# Altium PCB uz_per_wolfspeed_25kw_FM3.PcbDoc (part 2 of 2) (continued)
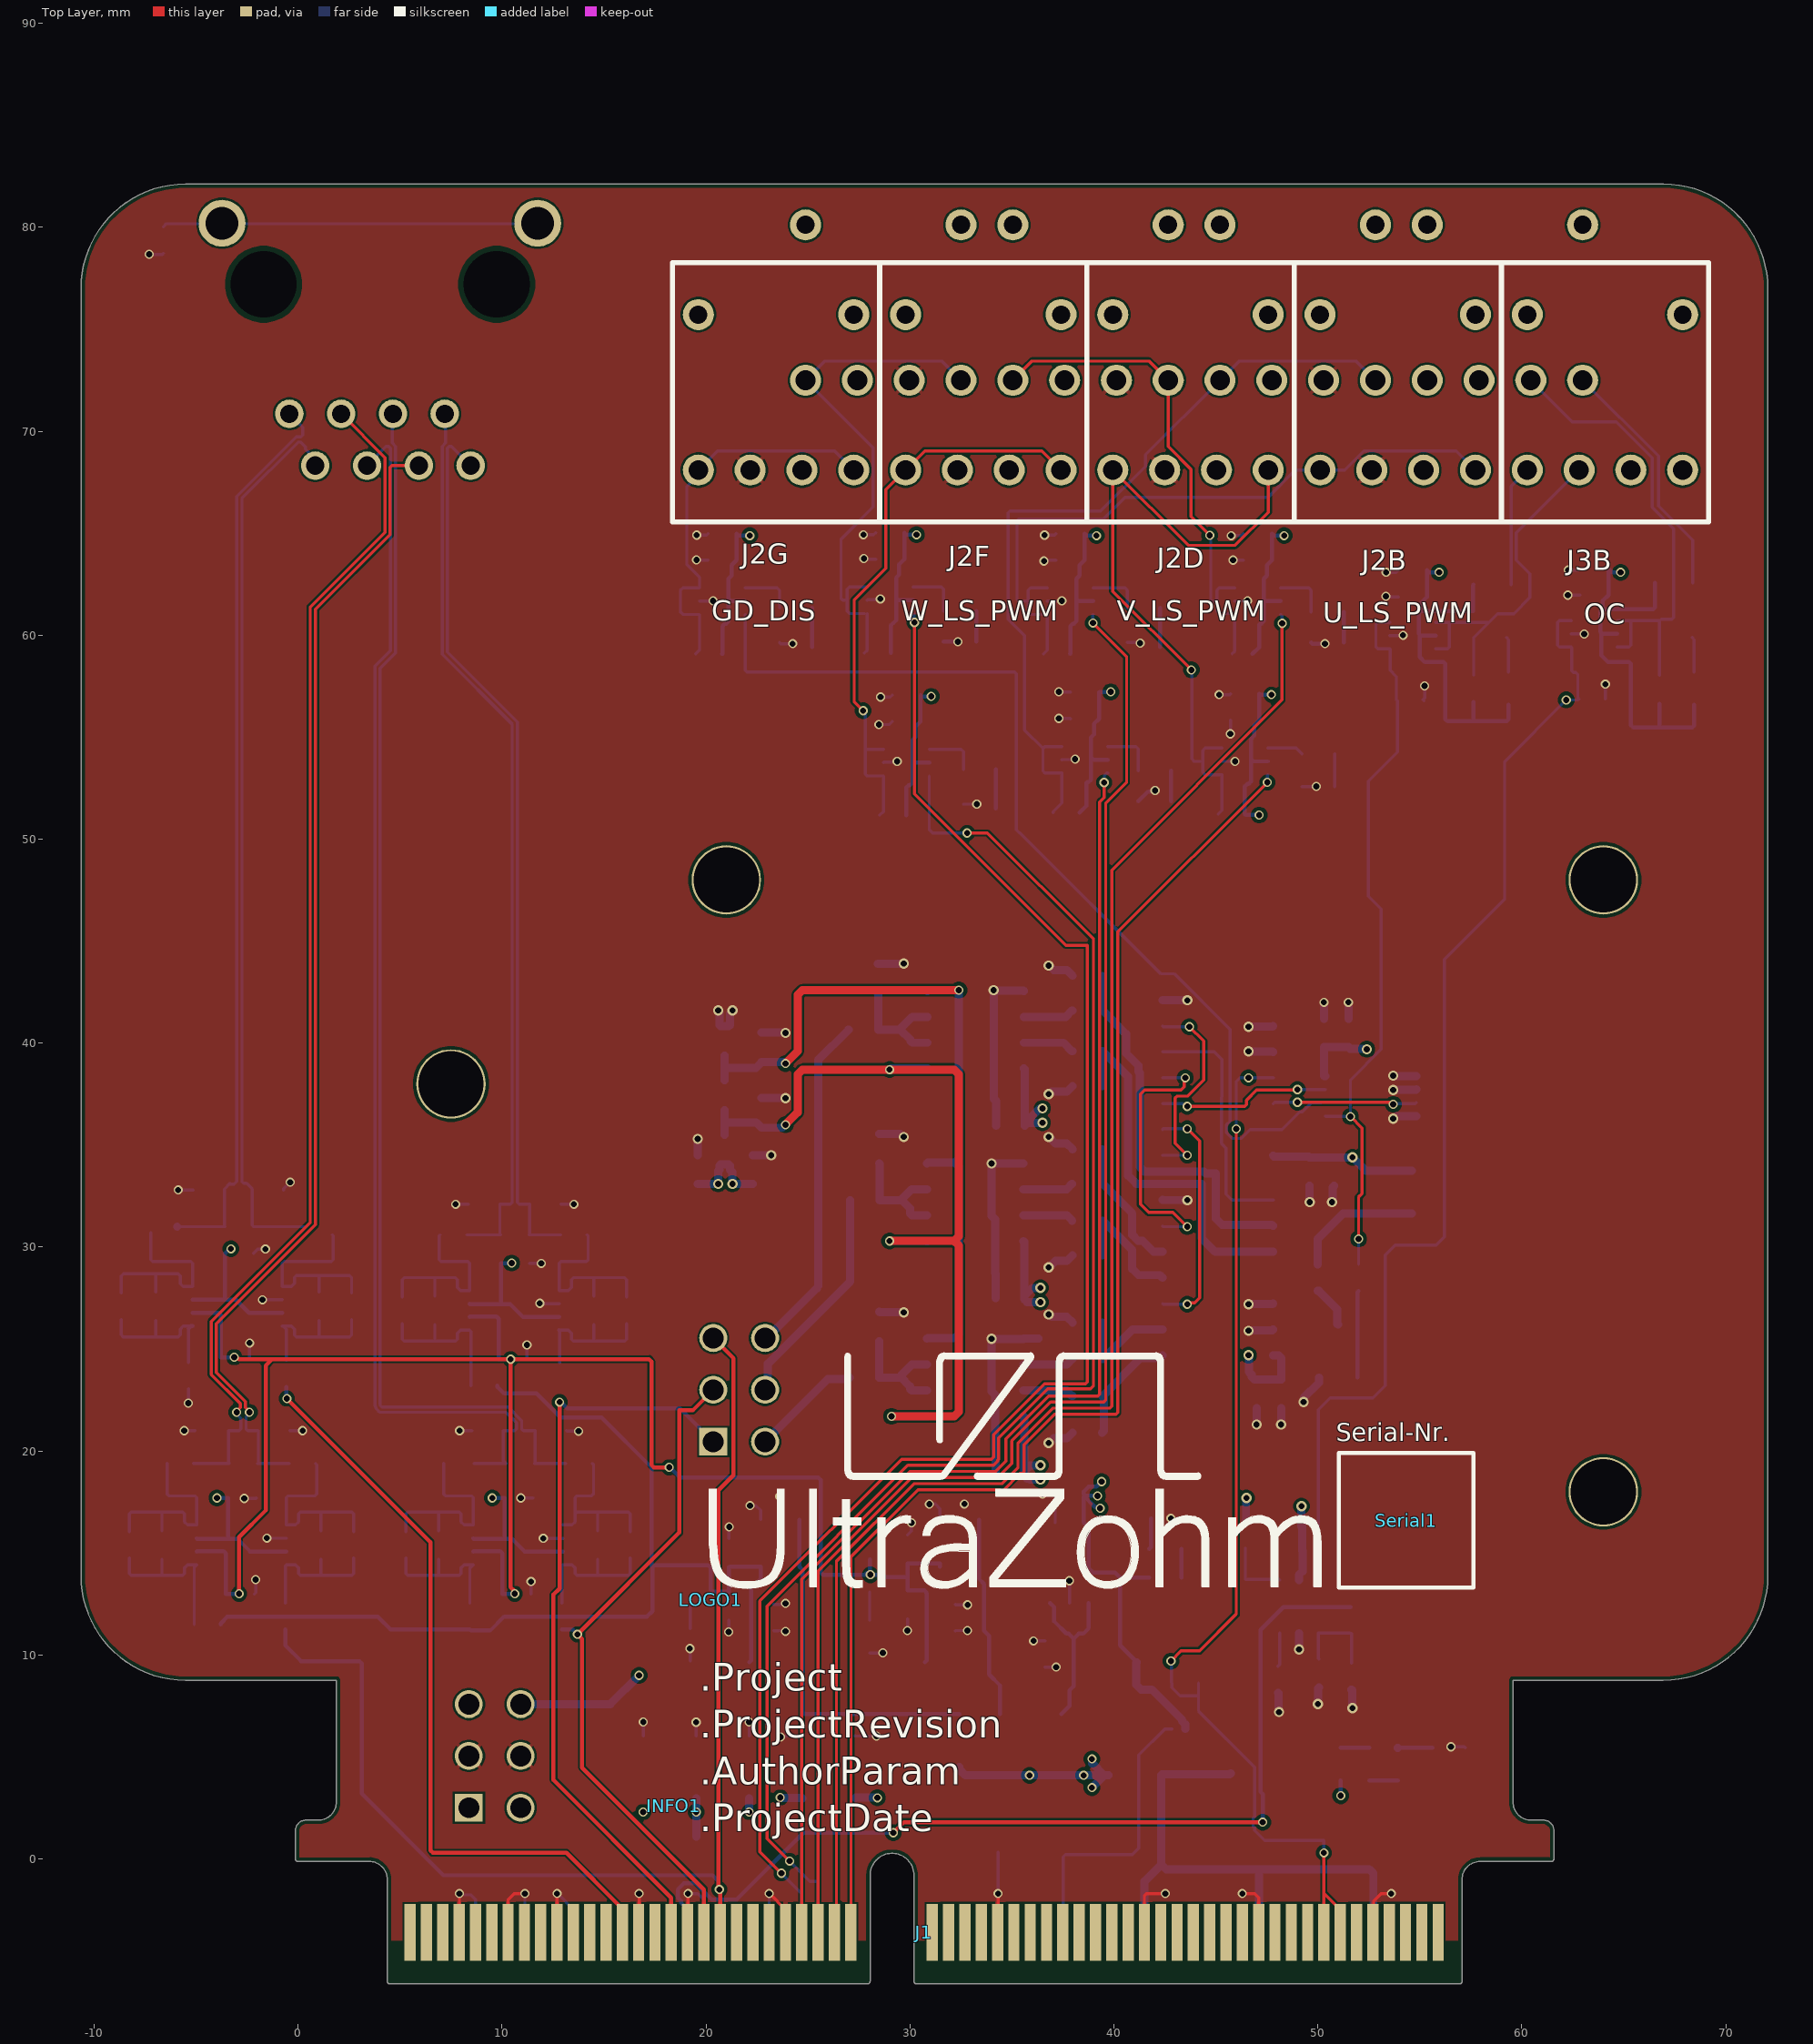
[diagram p0: Top Layer view]
## Nets (pads, with @x,y where several pads share a name; then routed paths per layer and width w, separated by ;. In a path a pad name is that pad's centre, name@x,y a point inside that pad or via, vN(x,y) a via of type N, cw(c..) or ccw(c..) an arc to the next point about the centre after c; other vN are vias at no path point) (continued)
NetR22_1: R22.1 U5.6 | length 2.5
  Bottom Layer w0.4: U5.6@35.564,24.235 37.685,24.235 37.95,24.5 R22.1@37.973,24.5
NetR23_1: R23.1 U6.7 | length 2.6
  Bottom Layer w0.4: U6.7@35.594,40.021 37.529,40.021 37.95,39.6 R23.1@37.973,39.6
NetR25_1: R25.1 U6.6 | length 2.5
  Bottom Layer w0.4: U6.6@35.594,41.291 37.641,41.291 37.95,41.6 R25.1@37.973,41.6
NetR26_1: R26.1 R30.2 | length 1.4
  Bottom Layer w0.2: R26.1@51.125,5.45 R30.2@52.525,5.45
NetR27_1: R27.1 R31.2 | length 1.4
  Bottom Layer w0.2: R27.1@43.325,13.8 R31.2@43.325,15.2
NetR30_1: R30.1 R32.2 | length 1.4
  Bottom Layer w0.2: R30.1@52.525,3.85 R32.2@53.925,3.85
NetR39_1: R39.1 T1.1 | length 4.3
  Bottom Layer w0.2: T1.1@51.95,23.6 51.95,27.8 R39.1@52,27.85
NetR40_1: R40.1 T1.3 | length 2.1
  Bottom Layer w0.4: R40.1@50,27.85 50.05,27.85 50.962,26.938 50.962,26.238 T1.3@51,26.2
NetU12_1: U12.1 U12.6 | length 10.3
  Top Layer w0.15: v1(43.6,34.5) 43,35.1 43,37.312 43.088,37.4 43.6,37.4 44.4,38.2 44.4,40.1 v1(43.7,40.8)
  Bottom Layer w0.15: U12.1@42.388,34.49 42.398,34.5 v1(43.6,34.5) ; U12.6@42.388,40.84 42.428,40.8 v1(43.7,40.8)
NetU12_2: U12.2 U13.3 | length 11.7
  Top Layer w0.15: v1(43.6,27.2) 43.657,27.257 43.957,27.257 44.2,27.5 44.2,35.2 v1(43.6,35.8)
  Bottom Layer w0.15: U13.3@42.388,27.23 42.418,27.2 v1(43.6,27.2) ; U12.2@42.388,35.76 42.428,35.8 v1(43.6,35.8)
NetU12_4: U12.4 U13.6 | length 13.3
  Top Layer w0.15: v1(43.5,38.3) 43.45,38.25 43.45,37.85 43.3,37.7 41.5,37.7 41.3,37.5 41.3,32.1 41.7,31.7 42.9,31.7 v1(43.6,31)
  Bottom Layer w0.15: U13.6@42.388,31.04 42.428,31 v1(43.6,31) ; U12.4@42.388,38.3 v1(43.5,38.3)
NetU12_5: U12.5 U13.8 | length 12.2
  Bottom Layer w0.15: U12.5@42.388,39.57 44.93,39.57 45.3,39.2 45.3,37.363 45.273,37.336 45.273,35.081 45.5,34.855 45.5,32.6 45.8,32.3 47.802,32.3 U13.8@47.812,32.31
OC_ALL_OK: U12.3 U14.7 | length 8.5
  Top Layer w0.15: v1(43.6,36.9) 46.412,36.9 46.5,36.988 46.5,37.2 47,37.7 48.975,37.7 v1(49,37.725)
  Bottom Layer w0.15: U12.3@42.388,37.03 43.389,37.03 43.519,36.9 v1(43.6,36.9) ; v1(49,37.725) U14.7@50.375,37.725
OC_latched: R13B.1 R39.2 U3B.1 U3B.3 U14.5 | length 35.9
  Top Layer w0.15: v1(51.6,36.4) 52.175,35.825 52.175,32.626 52,32.451 v1(52,30.4)
  Bottom Layer w0.15: U14.5@50.375,36.425 50.387,36.413 51.588,36.413 v1(51.6,36.4) 51.6,38.2 53.1,39.7 53.1,46.578 52.475,47.203 52.475,52.846 53.9,54.271 R13B.1@53.9,56.783 53.85,56.833 53.85,57.983 53.55,58.283 53.55,59.308 U3B.1@53.525,59.333 52.938,59.333 52.85,59.421 52.85,60.545 52.938,60.633 U3B.3@53.525,60.633 ; R39.2@52,29.15 v1(52,30.4)
OpAinSig1: J1.33 R5A.1 X3.01 | length 36.9
  Top Layer w0.2: v1(12.825,22.4) 12.825,13.266 12.525,12.966 12.525,3.875 18.3,-1.9 J1.33@18.3,-3.6
  Bottom Layer w0.2: v1(12.825,22.4) 12.893,22.4 13.193,22.1 18.72,22.1 X3.01@20.36,20.46
OpAinSig2: J1.37 R5B.1 X3.03 | length 33.2
  Top Layer w0.2: J1.37@19.9,-3.6 19.9,-1.5 13.925,4.475 13.925,10.786 v1(13.7,11.012) 18.7,16.012 18.7,21.995 19.355,21.995 X3.03@20.36,23
  Bottom Layer w0.2: R5B.1@12.948,11.25 13.461,11.25 v1(13.7,11.012)
OpAinSig3: J1.39 R5C.1 X3.05 | length 60.8
  Top Layer w0.2: X3.05@20.36,25.54 21.347,24.553 21.347,18.815 20.614,18.083 v1@20.614,-1.498 ; v1(20.656,-1.498) 20.7,-1.542 J1.39@20.7,-3.6
  Bottom Layer w0.2: R5C.1@-0.614,11.25 -0.614,10.465 0.151,9.7 3.008,9.7 3.125,9.583 3.125,3.2 7.125,-0.8 20.325,-0.8 20.608,-1.084 20.608,-1.451 v1(20.656,-1.498)
OpAinSig4: J1.27 R36.1 | length 37.4
  Top Layer w0.2: v1(-0.546,22.573) 6.5,15.527 6.5,0.417 6.617,0.3 13.16,0.3 J1.27@15.918,-2.457 ; J1.27@15.9,-3.6 J1.27@15.9,-2.475
  Bottom Layer w0.2: R36.1@-0.575,23.15 -0.575,22.602 v1(-0.546,22.573)
ReceiverSig1: J1.49 U2A.6 | length 67
  Top Layer w0.15: J1.49@24.7,-3.6 24.7,13.7 30,19 34.2,19 34.7,19.5 34.7,20.6 36.8,22.7 39.212,22.7 39.3,22.788 39.3,51.814 39.525,52.039 v1(39.525,52.778)
  Bottom Layer w0.15: v1(39.525,52.778) 39.537,52.789 39.537,53.124 39.652,53.239 U2A.6@39.698,53.239
ReceiverSig2: J1.51 U2B.6 | length 75.6
  Top Layer w0.15: J1.51@25.5,-3.6 25.5,14.1 30.1,18.7 34.3,18.7 34.6,19 35,19.4 35,20.5 36.9,22.4 39.512,22.4 39.6,22.488 39.6,51.758 40.625,52.783 40.625,58.95 v1(38.974,60.601)
  Bottom Layer w0.15: v1(38.974,60.601) 38.974,61.004 U2B.6@38.989,61.018
ReceiverSig3: J1.53 U2C.6 | length 77.9
  Top Layer w0.15: J1.53@26.3,-3.6 26.4,-3.5 26.4,14.6 30.2,18.4 34.5,18.4 35.3,19.2 35.3,20.4 37,22.1 39.8,22.1 39.9,22.2 39.9,48.477 48.25,56.827 v1(48.25,60.583)
  Bottom Layer w0.15: U2C.6@48.175,61.018 48.25,60.943 v1(48.25,60.583)
ReceiverSig4: J1.55 U2D.6 | length 69.6
  Top Layer w0.15: J1.55@27.113,-3.6 27.113,14.813 30.4,18.1 34.4,18.1 34.438,18.062 34.562,18.062 35.4,18.9 35.512,18.9 35.6,18.988 35.6,20.3 37.1,21.8 40.112,21.8 40.2,21.888 40.2,45.458 v1(47.525,52.783)
  Bottom Layer w0.15: v1(47.525,52.783) 47.525,53.139 U2D.6@47.55,53.164
ReceiverSig5: J1.50 U2E.6 | length 80.1
  Top Layer w0.15: v1(23.7,-0.7) 22.648,0.352 22.648,12.648 29.6,19.6 34,19.6 34.1,19.7 34.1,20.8 36.6,23.3 38.612,23.3 38.7,23.388 38.7,44.794 37.643,44.794 30.223,52.214 v1(30.223,60.629)
  Bottom Layer w0.15: v1(23.7,-0.7) 24.695,-1.695 24.695,-3.595 J1.50@24.7,-3.6
  Bottom Layer w0.2: U2E.6@30.148,61.064 30.186,61.026 30.186,60.666 v1(30.223,60.629)
ReceiverSig6: J1.52 U2F.6 | length 73.2
  Top Layer w0.15: v1(24.1,-0.1) 23,1 23,12.4 29.9,19.3 34.1,19.3 34.3,19.5 34.3,19.544 34.352,19.596 34.352,20.652 36.748,23.048 38.848,23.048 39,23.2 39,45.1 33.798,50.302 v1(32.806,50.302)
  Bottom Layer w0.15: v1(24.1,-0.1) 25.1,-1.1 25.5,-1.1 J1.52@25.5,-3.6 ; U2F.6@30.95,53.1 30.95,50.466 31.114,50.302 v1(32.806,50.302)
RxTxA: J2A.1 J2A.4 R8A.2 U2A.1 U2A.3 | length 39.2
  Bottom Layer w0.15: R8A.2@37.023,51.304 37.023,51.354 37.448,51.779 U2A.1@37.448,53.239 36.613,53.239 36.525,53.327 36.525,54.451 ; U2A.3@37.448,54.539 36.613,54.539 36.525,54.451 ; J2A.1@52.825,72.5 51.886,73.439 46.144,73.439 J2A.4@45.205,72.5 41.55,68.845 41.55,68.284 39.35,66.083 34.913,66.083 34.825,65.995 34.825,60.783 35.625,59.983 35.625,55.351 36.525,54.451
RxTxB: J2B.1 J2B.4 R8B.2 U2B.1 U2B.3 | length 33.8
  Bottom Layer w0.15: R8B.2@36.554,59.083 36.739,59.268 U2B.1@36.739,61.018 35.921,61.018 35.804,61.136 35.804,61.668 ; U2B.3@36.739,62.318 35.921,62.318 35.804,62.201 35.804,61.668 ; J2B.4@57.729,68.1 56.79,69.039 52.26,69.039 51.322,68.1 J2B.1@50.109,68.1 48.896,68.1 47.563,66.766 40.557,66.766 39.486,65.695 35.338,65.695 35.25,65.607 35.25,61.756 35.338,61.668 35.804,61.668
RxTxC: J2C.1 J2C.4 R8C.2 U2C.1 U2C.3 | length 25.2
  Top Layer w0.15: J2C.4@35.045,72.5 35.984,73.439 41.726,73.439 J2C.1@42.665,72.5 42.665,69.251 43.785,68.131 43.785,65.815 v1(44.7,64.9)
  Bottom Layer w0.15: v1(44.7,64.9) 44.75,64.85 44.75,61.756 44.838,61.668 45.05,61.668 ; R8C.2@45.8,59.083 45.925,59.208 U2C.1@45.925,61.018 45.879,61.065 45.138,61.065 45.05,61.152 45.05,61.668 ; U2C.3@45.925,62.318 45.167,62.318 45.05,62.201 45.05,61.668
RxTxD: J2D.1 J2D.4 R8D.2 U2D.1 U2D.3 | length 33.3
  Top Layer w0.15: v1(43.8,58.3) 39.949,62.151 J2D.1@39.949,68.1 43.641,64.408 45.947,64.408 47.569,66.03 J2D.4@47.569,68.1
  Bottom Layer w0.15: v1(43.8,58.3) 43.825,58.275 43.825,53.931 43.942,53.814 44.365,53.814 ; R8D.2@45.115,51.229 45.3,51.414 U2D.1@45.3,53.164 44.482,53.164 44.365,53.281 44.365,53.814 ; U2D.3@45.3,54.464 44.482,54.464 44.365,54.347 44.365,53.814
RxTxE: J2E.1 J2E.4 R8E.2 U2E.1 U2E.3 | length 26.4
  Bottom Layer w0.15: R8E.2@27.773,59.129 27.898,59.254 U2E.1@27.898,61.064 ; U2E.1@27.773,61.064 27.04,61.064 26.923,61.181 26.923,61.714 ; U2E.3@27.898,62.364 27.04,62.364 26.923,62.247 26.923,61.714 ; J2E.1@32.505,72.5 31.566,73.439 25.824,73.439 J2E.4@24.885,72.5 28.188,69.197 28.188,66.282 26.623,64.717 26.623,61.802 26.711,61.714 26.923,61.714
RxTxF: J2F.1 J2F.4 R8F.2 U2F.1 U2F.3 | length 28.4
  Top Layer w0.15: v1(27.708,56.3) 27.268,56.74 27.268,61.727 28.825,63.283 28.825,67.136 J2F.1@29.789,68.1 30.728,69.039 36.47,69.039 J2F.4@37.409,68.1
  Bottom Layer w0.15: v1(27.708,56.3) 27.708,56.219 27.808,56.119 27.808,54.313 ; R8F.2@28.515,51.165 28.7,51.35 U2F.1@28.7,53.1 27.896,53.1 27.808,53.188 27.808,54.313 ; U2F.3@28.7,54.4 27.896,54.4 27.808,54.313
RxTxG: J2G.1 J2G.4 R8G.2 U2G.1 U2G.3 | length 19.7
  Bottom Layer w0.15: R8G.2@19.5,59.083 19.685,59.268 U2G.1@19.685,61.018 18.867,61.018 18.75,61.136 18.75,62.201 18.867,62.318 U2G.3@19.685,62.318 19.685,62.848 19.061,63.471 19.061,67.272 19.629,67.84 J2G.1@19.629,68.1 20.568,69.039 26.31,69.039 J2G.4@27.249,68.1
TempSenseAnalog: J1.36 R41.2 | length 47.3
  Top Layer w0.2: v1(29.185,1.283) 29.702,1.8 v1(47.3,1.8)
  Bottom Layer w0.2: J1.36@19.1,-3.6 19.1,-2.475 18.777,-2.152 18.777,-2.059 18.624,-1.907 18.624,-1.493 18.917,-1.2 19.491,-1.2 20.29,-1.998 21.494,-1.998 24.776,1.283 v1(29.185,1.283) ; v1(47.3,1.8) 47.3,3.184 47.2,3.284 47.2,11.235 48.315,12.35 R41.2@51.6,12.35
TransmitterSig1: IC1.6 R13A.1 U3A.1 U3A.3 | length 56.5
  Bottom Layer w0.15: IC1.6@50.025,13.675 50.025,22.025 50.6,22.6 52.7,22.6 53.3,23.2 53.3,29.6 53.8,30.1 55.8,30.1 56.2,30.5 56.2,44.1 59.161,47.061 59.161,53.808 v1(62.18,56.827) 62.761,56.827 R13A.1@62.8,56.866 62.75,56.916 62.75,58.066 62.65,58.166 62.538,58.166 62.45,58.254 62.45,59.391 U3A.1@62.425,59.416 61.838,59.416 61.75,59.504 61.75,60.628 61.838,60.716 U3A.3@62.425,60.716
TxA_N: D2A.1 J3A.2 R11A.2 U3A.4 U3A.6 | length 23.4
  Bottom Layer w0.15: J3A.2@60.445,72.5 62.476,70.469 64.631,70.469 66.4,68.7 66.4,66.277 67.45,65.227 67.45,60.871 67.362,60.783 66.838,60.783 ; U3A.6@64.675,59.416 65.262,59.416 65.35,59.504 65.35,60.628 65.262,60.716 ; U3A.4@64.675,60.716 65.262,60.716 ; R11A.2@66.75,58.033 D2A.1@66.75,59.883 66.75,60.695 66.838,60.783 ; 65.262,60.716 66.771,60.716 66.838,60.783
TxB_N: D2B.1 J3B.2 R11B.2 U3B.4 U3B.6 | length 17.8
  Bottom Layer w0.15: U3B.6@55.775,59.333 56.362,59.333 56.45,59.421 56.45,60.545 56.362,60.633 ; U3B.4@55.775,60.633 56.362,60.633 ; R11B.2@57.64,58.033 57.64,59.873 D2B.1@57.65,59.883 58.4,60.633 ; J3B.2@62.809,68.1 59.727,65.018 59.727,63.681 60.4,63.008 60.4,61.844 59.612,61.056 58.823,61.056 58.4,60.633 ; 56.362,60.633 58.4,60.633
U_HI_OC: C22.1 R20.2 U13.1 | length 5.7
  Bottom Layer w0.4: C22.1@39.426,20.9 39.507,20.981 39.507,22.62 R20.2@39.427,22.7 39.45,22.7 41.315,24.565 42.263,24.565 U13.1@42.388,24.69
U_LO_OC: C24.1 R22.2 U13.2 | length 5.4
  Bottom Layer w0.4: R22.2@39.426,24.501 C24.1@39.426,26.3 ; R22.2@39.427,24.5 39.45,24.5 40.91,25.96 U13.2@42.388,25.96
V_HI_OC: C19.1 R14.2 U13.4 | length 6.4
  Bottom Layer w0.4: C19.1@39.426,29.6 39.428,29.603 39.428,31.297 R14.2@39.431,31.3 39.454,31.3 40.9,29.854 40.9,28.934 41.209,28.625 42.263,28.625 U13.4@42.388,28.5
V_LO_OC: C21.1 R19.2 U13.5 | length 6.7
  Bottom Layer w0.4: R19.2@39.427,33.1 C21.1@39.426,34.8 ; R19.2@39.427,33.1 39.45,33.1 40.9,31.65 40.9,30.6 41.183,30.317 41.403,30.317 41.951,29.77 U13.5@42.388,29.77
VCC3.3V: 3.1 C13A.1 C13B.1 C13C.1 C13D.1 C13E.1 C13F.1 C13G.1 C14A.1 C14B.1 C14C.1 C14D.1 C14E.1 C14F.1 C14G.1 C15A.1 C15B.1 C16A.1 C16B.1 C28.1 C29.1 C30.1 C31.1 C32.1 C33.1 C34.1 C35.1 C38.1 C39.1 C55.1 C56.1 C57.1 C58.1 C59.1 C60.1 C62.1 C63.1 D7.2 IC1.5 J2A.3 J2B.3 J2C.3 J2D.3 J2E.3 J2F.3 J2G.3 R8A.1 R8B.1 R8C.1 R8D.1 R8E.1 R8F.1 R8G.1 R10A.1 R10B.1 R11A.1 R11B.1 R12A.1 R12B.1 R16.1 R27.2 R44.2 U2A.5 U2B.5 U2C.5 U2D.5 U2E.5 U2F.5 U2G.5 U3A.5 U3B.5 U4.8 U5.8 U6.8 U7.5 U11.5 U12.14 U13.14 U14.8 X2.05 X2.06 | length 159.5
  VCC w0.4: X2.05@8.376,7.589 X2.06@10.916,7.589
  Bottom Layer w0.2: R8G.1@20.8,59.083 20.81,59.093 20.81,60.451 20.927,60.568 20.993,60.568 21.11,60.686 21.11,61.786 ; U2G.5@21.935,61.668 21.227,61.668 21.11,61.786 ; v1(22.15,64.883) 21.61,64.883 C14G.1@21.51,64.983 C13G.1@21.51,63.683 21.26,63.433 21.26,62.918 21.11,62.768 21.11,61.786 ; R8E.1@29.073,59.129 29.073,60.497 29.19,60.614 29.206,60.614 29.323,60.731 29.323,61.831 ; R8F.1@29.815,51.165 29.825,51.175 29.825,52.533 29.942,52.65 30.008,52.65 30.125,52.768 30.125,53.868 ; U2E.5@30.148,61.714 29.44,61.714 29.323,61.831 ; v1(30.323,64.929) 29.823,64.929 C14E.1@29.723,65.029 C13E.1@29.723,63.729 29.473,63.479 29.473,62.964 29.323,62.814 29.323,61.831 ; U2F.5@30.95,53.75 30.242,53.75 30.125,53.868 ; v1(31.046,57.002) 30.588,57.002 C14F.1@30.525,57.065 C13F.1@30.525,55.765 30.275,55.515 30.275,55 30.125,54.85 30.125,53.868 ; R8B.1@37.854,59.083 37.864,59.093 37.864,60.451 37.981,60.568 38.047,60.568 38.164,60.686 38.164,61.786 ; R8A.1@38.323,51.304 38.648,51.629 38.648,52.747 38.69,52.789 38.756,52.789 38.873,52.906 38.873,54.006 ; U2B.5@38.989,61.668 38.281,61.668 38.164,61.786 ; v1(39.15,64.883) 38.664,64.883 C14B.1@38.564,64.983 C13B.1@38.564,63.683 38.314,63.433 38.314,62.918 38.164,62.768 38.164,61.786 ; v1(39.2,17.8) 38.625,17.8 C39.1@38.525,17.9 38.525,18 38.775,18.25 39.15,18.25 v1(39.4,18.5) v1@39.407,18.507 ; v1(39.325,17.2) 39.277,17.248 39.077,17.248 38.552,17.773 38.525,17.773 C38.1@38.525,16.5 38.775,16.25 U7.5@38.775,14.85 38.775,14.254 38.981,14.048 40.054,14.048 40.302,13.8 ; U2A.5@39.698,53.889 38.99,53.889 38.873,54.006 ; v1(39.85,57.222) 39.291,57.222 C14A.1@39.273,57.204 C13A.1@39.273,55.904 39.023,55.654 39.023,55.139 38.873,54.989 38.873,54.006 ; 3.1@41.125,9.643 40.302,10.466 40.302,13.8 ; R27.2@41.725,13.8 40.302,13.8 ; R8C.1@46.8,59.083 47.125,59.408 47.125,60.526 47.167,60.568 47.233,60.568 47.35,60.686 47.35,61.786 ; v1(47.125,51.183) 46.461,51.183 R8D.1@46.415,51.229 46.425,51.239 46.425,52.597 46.542,52.714 46.608,52.714 46.725,52.831 46.725,53.931 ; U2D.5@47.55,53.814 46.842,53.814 46.725,53.931 ; v1(47.725,57.083) 47.171,57.083 C14D.1@47.125,57.129 C13D.1@47.125,55.829 46.875,55.579 46.875,55.064 46.725,54.914 46.725,53.931 ; U2C.5@48.175,61.668 47.467,61.668 47.35,61.786 ; v1(48.35,64.883) 47.85,64.883 C14C.1@47.75,64.983 C13C.1@47.75,63.683 47.5,63.433 47.5,62.918 47.35,62.768 47.35,61.786 ; 55.075,61.208 55.075,61.608 C15B.1@55.35,61.883 C16B.1@55.35,63.183 55.45,63.083 v1(55.95,63.083) ; U3B.5@55.775,59.983 55.038,59.983 54.994,60.027 ; R10B.1@57.625,62.483 57.607,62.465 57.607,61.183 55.05,61.183 54.95,61.083 54.95,60.071 54.994,60.027 ; R11B.1@57.64,56.733 57.64,55.787 57.636,55.783 ; R12B.1@59.35,56.583 59.35,55.871 59.262,55.783 57.636,55.783 ; 63.975,61.291 63.975,61.691 C15A.1@64.25,61.966 C16A.1@64.25,63.266 64.433,63.083 v1(64.85,63.083) ; U3A.5@64.675,60.066 63.938,60.066 63.894,60.11 ; R10A.1@66.525,62.566 66.525,61.354 66.437,61.266 63.95,61.266 63.85,61.166 63.85,60.154 63.894,60.11 ; R11A.1@66.75,56.633 66.75,55.509 66.725,55.483 ; R12A.1@68.45,56.583 68.45,55.571 68.362,55.483 66.725,55.483 ; 54.994,60.027 54.994,58.927 55.238,58.683 56.162,58.683 56.25,58.595 56.25,55.883 56.35,55.783 57.636,55.783 ; 63.894,60.11 63.894,59.01 64.221,58.683 65.262,58.683 65.35,58.595 65.35,55.583 65.45,55.483 66.725,55.483
  Bottom Layer w0.4: X2.06@10.91,7.594 X2.06@10.916,7.589 15.314,7.589 v1(16.725,9) ; C28.1@19.6,33.1 v2(20.6,33.1) 20.6,33.726 20.671,33.797 20.671,33.997 20.721,34.047 R16.1@20.921,34.047 21.121,34.047 21.171,33.997 21.171,33.797 21.3,33.669 v2(21.3,33.1) C32.1@22.3,33.1 ; U5.8@35.564,21.695 35.6,21.659 C29.1@35.6,20.1 C33.1@35.6,18.9 35.6,18.8 35.75,18.65 35.85,18.65 35.9,18.6 v2(36.4,18.6) ; U4.8@35.564,30.295 35.6,30.259 C30.1@35.6,28.7 C34.1@35.6,27.5 ; U6.8@35.594,38.751 35.63,38.715 C31.1@35.63,37.156 C35.1@35.63,35.956 35.755,36.081 36.481,36.081 v2(36.5,36.1) ; C33.1@35.6,19 35.9,19.3 v2(36.4,19.3) ; C34.1@35.6,27.45 35.75,27.3 v2(36.4,27.3) ; C34.1@35.6,27.6 36,28 v2(36.4,28) ; C35.1@35.63,36.056 36.355,36.781 36.481,36.781 v2(36.5,36.8) ; 3.1@41.125,9.643 41.1,9.618 41.1,8.534 41.334,8.3 41.859,8.3 43.352,6.808 43.352,6.748 43.5,6.6 U11.5@43.5,6.375 ; R44.2@46.45,16.55 46.481,16.581 46.481,17.681 v2(46.5,17.7) ; v2(46.6,24.7) 46.619,24.681 46.619,23.881 46.75,23.75 46.75,23.65 46.9,23.5 C58.1@47,23.5 C57.1@48.2,23.5 48.2,24.565 48.075,24.69 U13.14@47.812,24.69 ; U12.14@47.812,34.49 47.857,34.445 49.555,34.445 C59.1@49.6,34.4 C60.1@50.8,34.4 v2(51.7,34.4) 52.35,33.75 D7.2@54.6,33.75 ; IC1.5@49.075,13.675 49.075,13.925 49.25,14.1 C62.1@49.25,15.1 49.225,15.125 49.225,16.275 C63.1@49.2,16.3 v2(49.2,17.3) ; U14.8@50.375,38.375 50.323,38.375 50.3,38.398 50.3,39.8 51.5,39.8 51.581,39.719 52.381,39.719 v2(52.4,39.7)
VOCM2.5V: 5.1 C11A.1 C11B.1 C11C.1 C46.1 C47.1 C53.1 R29.2 U1A.2 U1B.2 U1C.2 U9.6 U10.2 | length 91.3
  Top Layer w0.2: v1(-3.125,24.6) -3.077,24.552 -2.935,24.552 -2.883,24.5 -1.275,24.5 ; v1(-2.887,13) -2.887,15.787 -1.586,17.089 -1.586,24.189 -1.275,24.5 ; v1(10.625,13) 10.577,13.048 10.577,13.165 10.425,13.318 v1(10.425,24.5) ; v1(18.2,19.2) 17.442,19.2 17.325,19.317 17.325,24.383 17.208,24.5 v1(10.425,24.5) ; -1.275,24.5 v1(10.425,24.5)
  Bottom Layer w0.2: U10.2@-5.17,26.775 -3.892,26.775 -3.775,26.658 C53.1@-3.775,24.6 v1(-3.125,24.6) ; U1C.2@-4.972,15.075 -4.947,15.1 -3.655,15.1 -3.537,14.983 C11C.1@-3.537,13 v1(-2.887,13) ; U1A.2@8.41,26.575 8.435,26.6 9.727,26.6 9.844,26.483 C11A.1@9.844,24.5 v1(10.425,24.5) ; U1B.2@8.591,15.075 8.616,15.1 9.908,15.1 10.025,14.983 C11B.1@10.025,13 v1(10.625,13) ; v1@18.225,19.2 18.725,18.7 25.508,18.7 25.625,18.583 25.625,14.053 25.742,13.936 27.797,13.936 27.879,14.019 v1@27.947,14.019 ; v1@28.03,14.019 R29.2@28.03,14.686 ; v1(28.061,13.936) 28.069,13.928 28.586,13.928 28.686,13.828 29.882,13.828 ; 5.1@30.739,9.643 30.825,9.729 30.825,13.044 30.708,13.161 C47.1@29.882,13.161 29.882,13.828 ; U9.6@31.48,14.336 31.48,14.495 C46.1@29.892,14.495 29.882,14.495 29.882,13.828
W_HI_OC: C25.1 R23.2 U13.10 | length 18.6
  Bottom Layer w0.4: C25.1@39.426,37.9 R23.2@39.427,39.6 39.451,39.599 40.7,38.35 40.7,33.5 41.1,33.1 44.3,33.1 44.3,30.434 44.964,29.77 U13.10@47.812,29.77
W_LO_OC: C27.1 R25.2 U13.9 | length 19.2
  Bottom Layer w0.4: R25.2@39.427,41.6 C27.1@39.426,43.3 ; R25.2@39.427,41.6 39.45,41.6 40.6,40.45 40.6,39.5 41.2,38.9 41.2,38.6 41.266,38.534 41.266,33.934 41.5,33.7 44.409,33.7 44.509,33.6 45,33.6 45,31.4 45.3,31.1 47.752,31.1 U13.9@47.812,31.04
pads on no net: J1.1 J1.2 J1.3 J1.4 J1.5 J1.6 J1.8 J1.9 J1.11 J1.12 J1.14 J1.15 J1.17 J1.18 J1.20 J1.21 J1.23 J1.24 J1.25 J1.26 J1.28 J1.30 J1.31 J1.32 J1.34 J1.40 J1.41 J1.42 J1.43 J1.44 J1.45 J1.54 J1.56 J1.57 J1.58 J1.59 J1.60 J1.61 J1.62 J1.63 J1.64 J1.66 J1.67 J1.68 J1.69 J1.70 J1.71 J1.72 J1.73 J1.75 J1.76 J1.77 J1.78 J1.79 J1.80 J1.81 J1.82 J1.85 J1.86 J1.87 J1.88 J1.89 J1.90 J1.91 J1.92 J1.93 J1.94 J1.95 J1.96 J1.99 J1.100 J1.101 J1.102 J1.103 J1.104 J1.106 J1.108 J1.109 J1.110 J1.113 J1.114 J1.115 J1.116 J1.117 J1.118 J1.119 J1.120 J2A.5 J2A.8 J2B.5 J2B.8 J2C.5 J2C.8 J2D.5 J2D.8 J2E.5 J2E.8 J2F.5 J2F.8 J2G.5 J2G.8 J3A.3 J3A.4 J3A.5 J3A.8 J3B.3 J3B.4 J3B.5 J3B.8 U7.4 U8.5 U9.5 U11.4 U12.8 U13.11 X1.MH3 X1.MH4

## Polygon pours and split planes (outlines as drawn)
5V on VCC "5V_L02_P040" (solid, pour order 40): -14.388,84.124 -14.388,-3.935 76.625,-3.935 76.625,84.483
VCC3.3V on VCC "VCC3.3V_L02_P039" (solid, pour order 39): 16.425,84.3 16.425,8.7 74.025,8.7 74.025,84.3
GND on GND "GND_L03_P041" (solid, pour order 41): -24.388,85.713 -24.388,-3.956 77.012,-3.956 77.012,85.713
GND on Bottom Layer "GND_L04_P042" (solid, pour order 42): -24.375,83.808 -24.375,-4.2 77.025,-4.2 77.025,84.208
GND on Top Layer "GND_L01_P038" (solid, pour order 38): -14.388,84.228 -14.388,-3.996 74.225,-3.996 74.225,84.578

## Silkscreen, mask and mechanical layers (free items; w line width, h text height)
Top Overlay:
  text "GD_DIS" at 20.275,60.716 h1
  text "W_LS_PWM" at 29.575,60.716 h1
  text "V_LS_PWM" at 40.15,60.717 h1
  text "U_LS_PWM" at 50.25,60.617 h1
  text "OC" at 63.05,60.55 h1
Bottom Overlay:
  lines w0.2: -10.5,21.633 17.215,21.633 ; -10.5,34.292 4,34.292 4,9.978 ; -8.685,9.978 4,9.978 ; 2.5,34.3 17.215,34.3 17.215,26.564 17.215,9.978 ; 13.045,70 23.605,70 ; 13.045,80.457 23.405,80.457 ; 15.07,69.345 15.07,68.245 16.045,68.245 ; 15.712,67.888 16.07,68.245 ; 17.2,9.978 4,9.978 ; 26.64,66.1 26.64,58 26.64,49.6 52.495,49.6 ; 34.195,66.1 42.295,66.1 52.495,66.1 ; 34.595,66.1 26.095,66.1 18.095,66.1 18.095,58 26.095,58 34.195,58 52.443,58 ; 35.046,49.643 35.046,58.011 35.046,66.1 ; 43.995,49.625 43.995,58.023 43.995,66.1 ; 52.495,49.7 52.495,54.226 52.495,66.1 ; 52.521,54.2 60.395,54.2 ; 72,66.1 60.395,66.1 ; 72.063,54.2 60.395,54.2 ; 16.07,68.245 15.743,68.572 16.07,68.245 ; 52.495,66.1 60.395,66.1 ; 60.395,54.2 60.395,66.1
  lines w0.254: 13.609,42.091 17.6,38.1 17.6,33.2 21.428,29.372 21.428,26.81 ; -5.3,42.1 13.6,42.1 13.6,64.4 -5.3,64.4 -5.3,42.1 ; 1.4,51 1.4,59 5.9,59 5.9,51 1.4,51
  lines w0.3: 7.842,52.2 7.542,52.5 ; 7.842,52.8 7.542,52.5 ; 7.842,57.2 7.542,57.5 ; 7.842,57.8 7.542,57.5 ; 7.942,54.7 7.642,55 ; 7.942,55.3 7.642,55 ; 8.3,52.5 7.542,52.5 ; 8.4,55 7.642,55 ; 8.4,57.5 7.542,57.5 ; 8.831,52.5 9.169,52.5 ; 8.831,57.5 9.169,57.5 ; 8.838,55 9.2,55 ; 9.662,55 10,55 ; 9.7,52.631 9.7,52.969 ; 9.7,53.431 9.7,53.769 ; 9.7,54.231 9.7,54.569 ; 9.7,55.431 9.7,55.769 ; 9.7,56.231 9.7,56.569 ; 9.7,57.031 9.7,57.369 ; 10.431,55 10.769,55 ; 54.3,29.088 54.6,29.388 ; 54.6,27.988 54.6,29.388 ; 54.9,29.088 54.6,29.388
  lines w0.5: 2.522,55.1 3.022,55.6 4.022,55.6 4.522,55.1 ; 2.6,52.5 3.1,53 4.1,53 4.6,52.5 ; 2.6,57.6 3.1,58.1 4.1,58.1 4.6,57.6 ; 0.4,52 2.4,52 2.4,53 0.4,53 0.4,52 ; 0.4,54.5 2.4,54.5 2.4,55.5 0.4,55.5 0.4,54.5 ; 0.4,57 2.4,57 2.4,58 0.4,58 0.4,57 ; 4.9,52 6.9,52 6.9,53 4.9,53 4.9,52 ; 4.9,54.5 6.9,54.5 6.9,55.5 4.9,55.5 4.9,54.5 ; 4.9,57 6.9,57 6.9,58 4.9,58 4.9,57
  text "NTC_ISO / U_HS_PWM /  / V_HS_PWM / W_HS_PWM" at 13.57,70.445 h1.2 r270
  text "Rx_G" at 25.745,63.217 h1
  text "Rx_E" at 34.345,63.217 h1
  text "Rx_B" at 43.345,63.217 h1
  text "Rx_C" at 52.045,63.217 h1
  text "Jumpers connect measured currents to OC comparators" at 11.431,59.477 h1.5
  text "I_W" at -0.25,57.083 h0.8
  text "Rx_D" at 51.52,55.617 h1
  text "Rx_F" at 34.62,55.517 h1
  text "Tx_B" at 60.145,54.617 h1
  text "Tx_A" at 71.75,54.617 h1
  text "I_V" at -0.25,54.583 h0.8
  text "I_U" at -0.25,52.083 h0.8
  text "OC TEST" at 11.6,51.8 h1 r270
  text "X3" at 8.6,50.1 h1
  text "For testing, remove jumpers and feed in test signals on the left hand side" at 11.031,43.243 h1.5
  text "VDCC" at -9.76,29.615 h1 r270
  text "CC_A" at 15.732,29.214 h1 r270
  text "CC_C" at 2.632,17.514 h1 r270
  text "CC_B" at 15.732,17.414 h1 r270
  text "OC EVENT" at 54,15.9 h1.5 r270
  text "Interface PCB compatible with  / Wolfspeed inverter CRD25DA12N-FMC REV2.0 ONLY !" at 63.8,9.1 h1.2 r270
  text "3V3" at 6.776,7.149 h1
  text "3V3" at 15.276,7.049 h1
  text "GND" at 15.176,4.749 h1
  text "GND" at 6.676,4.649 h1
  text "5V" at 6.676,1.949 h1
  text "5V" at 14.176,1.949 h1
Mechanical 1:
  lines w0.013: -10.512,13.884 ccw(c-5.512,13.884) -5.512,8.884 1.988,8.884 1.988,8.852 ; 59.438,8.852 59.438,8.884 66.938,8.884 ccw(c66.938,13.884) 71.938,13.884
  lines w0.25: 66.938,81.998 cw(c66.94,77) 71.938,76.998 ; 66.938,82 -5.512,82 ccw(c-5.512,77) -10.512,77 -10.512,13.884 ccw(c-5.512,13.884) -5.512,8.884 1.988,8.884 1.988,8.852 2,8.84 2,2.78 cw(c1,2.78) 1,1.78 0.4,1.78 ccw(c0.4,1.38) 0,1.38 0,0 3.5,0 cw(c3.5,-1) 4.5,-1 4.5,-6 27.925,-6 27.925,-0.8 cw(c29.125,-0.8) 30.325,-0.8 30.325,-6 56.95,-6 56.95,-1 cw(c57.95,-1) 57.95,0 61.45,0 61.45,1.38 ccw(c61.05,1.38) 61.05,1.78 60.45,1.78 cw(c60.45,2.78) 59.45,2.78 59.45,8.84 59.438,8.852 59.438,8.884 66.938,8.884 ccw(c66.938,13.884) 71.938,13.884 71.938,77
Drill Drawing:
  circle w0.254: c91.313,77.02 r0.847
  lines w0.254: 90.467,68.553 92.16,68.553 92.16,70.246 90.467,70.246 90.467,68.553 ; 90.467,72.363 92.16,72.363 92.16,74.056 90.467,74.056 90.467,72.363 ; 90.467,81.676 92.16,81.676 91.313,79.983 90.467,81.676 ; 90.467,84.216 90.89,84.216 91.313,83.793 91.737,84.216 92.16,84.216 91.737,84.64 92.16,85.063 91.737,85.063 91.313,85.486 90.89,85.063 90.467,85.063 90.89,84.64 90.467,84.216 ; 90.467,88.026 90.89,88.026 90.89,87.603 91.737,87.603 91.737,88.026 92.16,88.026 92.16,88.873 91.737,88.873 91.737,89.296 90.89,89.296 90.89,88.873 90.467,88.873 90.467,88.026 ; 90.467,91.413 91.313,91.836 92.16,91.413 91.737,92.26 92.16,93.106 91.313,92.683 90.467,93.106 90.89,92.26 90.467,91.413 ; 90.467,96.07 91.313,95.223 92.16,96.07 91.313,96.916 90.467,96.07 ; 90.805,68.892 91.821,68.892 91.821,69.908 90.805,69.908 90.805,68.892
  lines w0.381: 88.948,67.41 365.324,67.41 ; 88.948,97.89 365.324,97.89 ; 102.94,63.6 102.94,101.7 ; 118.176,63.6 118.176,101.7 ; 147.378,63.6 147.378,101.7 ; 160.227,63.6 160.227,101.7 ; 178.865,63.6 178.865,101.7 ; 216.954,63.6 216.954,101.7 ; 231.936,63.6 231.936,101.7 ; 250.879,63.6 250.879,101.7 ; 274.749,63.6 274.749,101.7 ; 296.434,63.6 296.434,101.7 ; 330.308,63.6 330.308,101.7 ; 88.948,63.6 365.324,63.6 365.324,101.7 88.948,101.7 88.948,63.6
  text "Symbol" at 91.234,99.033 h1.83
  text "Count" at 104.083,99.033 h1.83
  text "Hole Size" at 119.319,99.033 h1.83
  text "Plated" at 148.521,99.033 h1.83
  text "Hole Type" at 161.37,99.033 h1.83
  text "Drill Layer Pair" at 180.008,99.033 h1.83
  text "Via/Pad" at 218.097,99.033 h1.83
  text "Pad Shape" at 233.079,99.033 h1.83
  text "Template" at 252.022,99.033 h1.83
  text "Description" at 275.892,99.033 h1.83
  text "Hole Tolerance (+)" at 297.577,99.033 h1.83
  text "Hole Tolerance (-)" at 331.451,99.033 h1.83
  text "2" at 104.083,95.223 h1.52
  text "62.99mil (1.600mm)" at 119.319,95.223 h1.52
  text "PTH" at 148.521,95.223 h1.52
  text "Round" at 161.37,95.223 h1.52
  text "Top Layer - Bottom Layer" at 180.008,95.223 h1.52
  text "Pad" at 218.097,95.223 h1.52
  text "Rounded" at 233.079,95.223 h1.52
  text "c230h160" at 252.022,95.223 h1.52
  text "2" at 104.083,91.413 h1.52
  text "127.95mil (3.250mm)" at 119.319,91.413 h1.52
  text "NPTH" at 148.521,91.413 h1.52
  text "Round" at 161.37,91.413 h1.52
  text "Top Layer - Bottom Layer" at 180.008,91.413 h1.52
  text "Pad" at 218.097,91.413 h1.52
  text "Rounded" at 233.079,91.413 h1.52
  text "c106hn325" at 252.022,91.413 h1.52
  text "4" at 104.083,87.603 h1.52
  text "125.98mil (3.200mm)" at 119.319,87.603 h1.52
  text "NPTH" at 148.521,87.603 h1.52
  text "Round" at 161.37,87.603 h1.52
  text "Top Layer - Bottom Layer" at 180.008,87.603 h1.52
  text "Pad" at 218.097,87.603 h1.52
  text "Rounded" at 233.079,87.603 h1.52
  text "c340hn320" at 252.022,87.603 h1.52
  text "8" at 104.083,83.793 h1.52
  text "35.43mil (0.900mm)" at 119.319,83.793 h1.52
  text "PTH" at 148.521,83.793 h1.52
  text "Round" at 161.37,83.793 h1.52
  text "Top Layer - Bottom Layer" at 180.008,83.793 h1.52
  text "Pad" at 218.097,83.793 h1.52
  text "Rounded" at 233.079,83.793 h1.52
  text "c140h90" at 252.022,83.793 h1.52
  text "12" at 104.083,79.983 h1.52
  text "40.16mil (1.020mm)" at 119.319,79.983 h1.52
  text "PTH" at 148.521,79.983 h1.52
  text "Round" at 161.37,79.983 h1.52
  text "Top Layer - Bottom Layer" at 180.008,79.983 h1.52
  text "Pad" at 218.097,79.983 h1.52
  text "(Mixed)" at 233.079,79.983 h1.52
  text "(Mixed)" at 252.022,79.983 h1.52
  text "18" at 104.083,76.173 h1.52
  text "35.00mil (0.889mm)" at 119.319,76.173 h1.52
  text "PTH" at 148.521,76.173 h1.52
  text "Round" at 161.37,76.173 h1.52
  text "Top Layer - Bottom Layer" at 180.008,76.173 h1.52
  text "Pad" at 218.097,76.173 h1.52
  text "Rounded" at 233.079,76.173 h1.52
  text "c152h89(Tol8-8)" at 252.022,76.173 h1.52
  text "3.00mil (0.076mm)" at 297.577,76.173 h1.52
  text "3.00mil (0.076mm)" at 331.451,76.173 h1.52
  text "36" at 104.083,72.363 h1.52
  text "38.00mil (0.965mm)" at 119.319,72.363 h1.52
  text "PTH" at 148.521,72.363 h1.52
  text "Round" at 161.37,72.363 h1.52
  text "Top Layer - Bottom Layer" at 180.008,72.363 h1.52
  text "Pad" at 218.097,72.363 h1.52
  text "Rounded" at 233.079,72.363 h1.52
  text "c152h97" at 252.022,72.363 h1.52
  text "220" at 104.083,68.553 h1.52
  text "11.81mil (0.300mm)" at 119.319,68.553 h1.52
  text "PTH" at 148.521,68.553 h1.52
  text "Round" at 161.37,68.553 h1.52
  text "Top Layer - Bottom Layer" at 180.008,68.553 h1.52
  text "Via" at 218.097,68.553 h1.52
  text "Rounded" at 233.079,68.553 h1.52
  text "(Mixed)" at 252.022,68.553 h1.52
  text "302 Total" at 104.083,64.743 h1.52

## Text inside footprints (layer, text, board x,y; h text height)
Serial1: Top Assembly "SerialNr" at 51.825,18.3 h0.7; Top Overlay "Serial-Nr." at 50.9,20.2 h1.5